# Altium PCB Audio-Beamformer_V1.0.PcbDoc (part 2 of 11)
Units mm, origin at the board's own origin, x right, y up, seen from the top; angles counter-clockwise.
Board outline 300 x 376 mm, 2 copper layers (Top Layer, Bottom Layer), stack 1.548 mm thick; 1137 components, 629 nets, 3569 pads, 2808 vias.
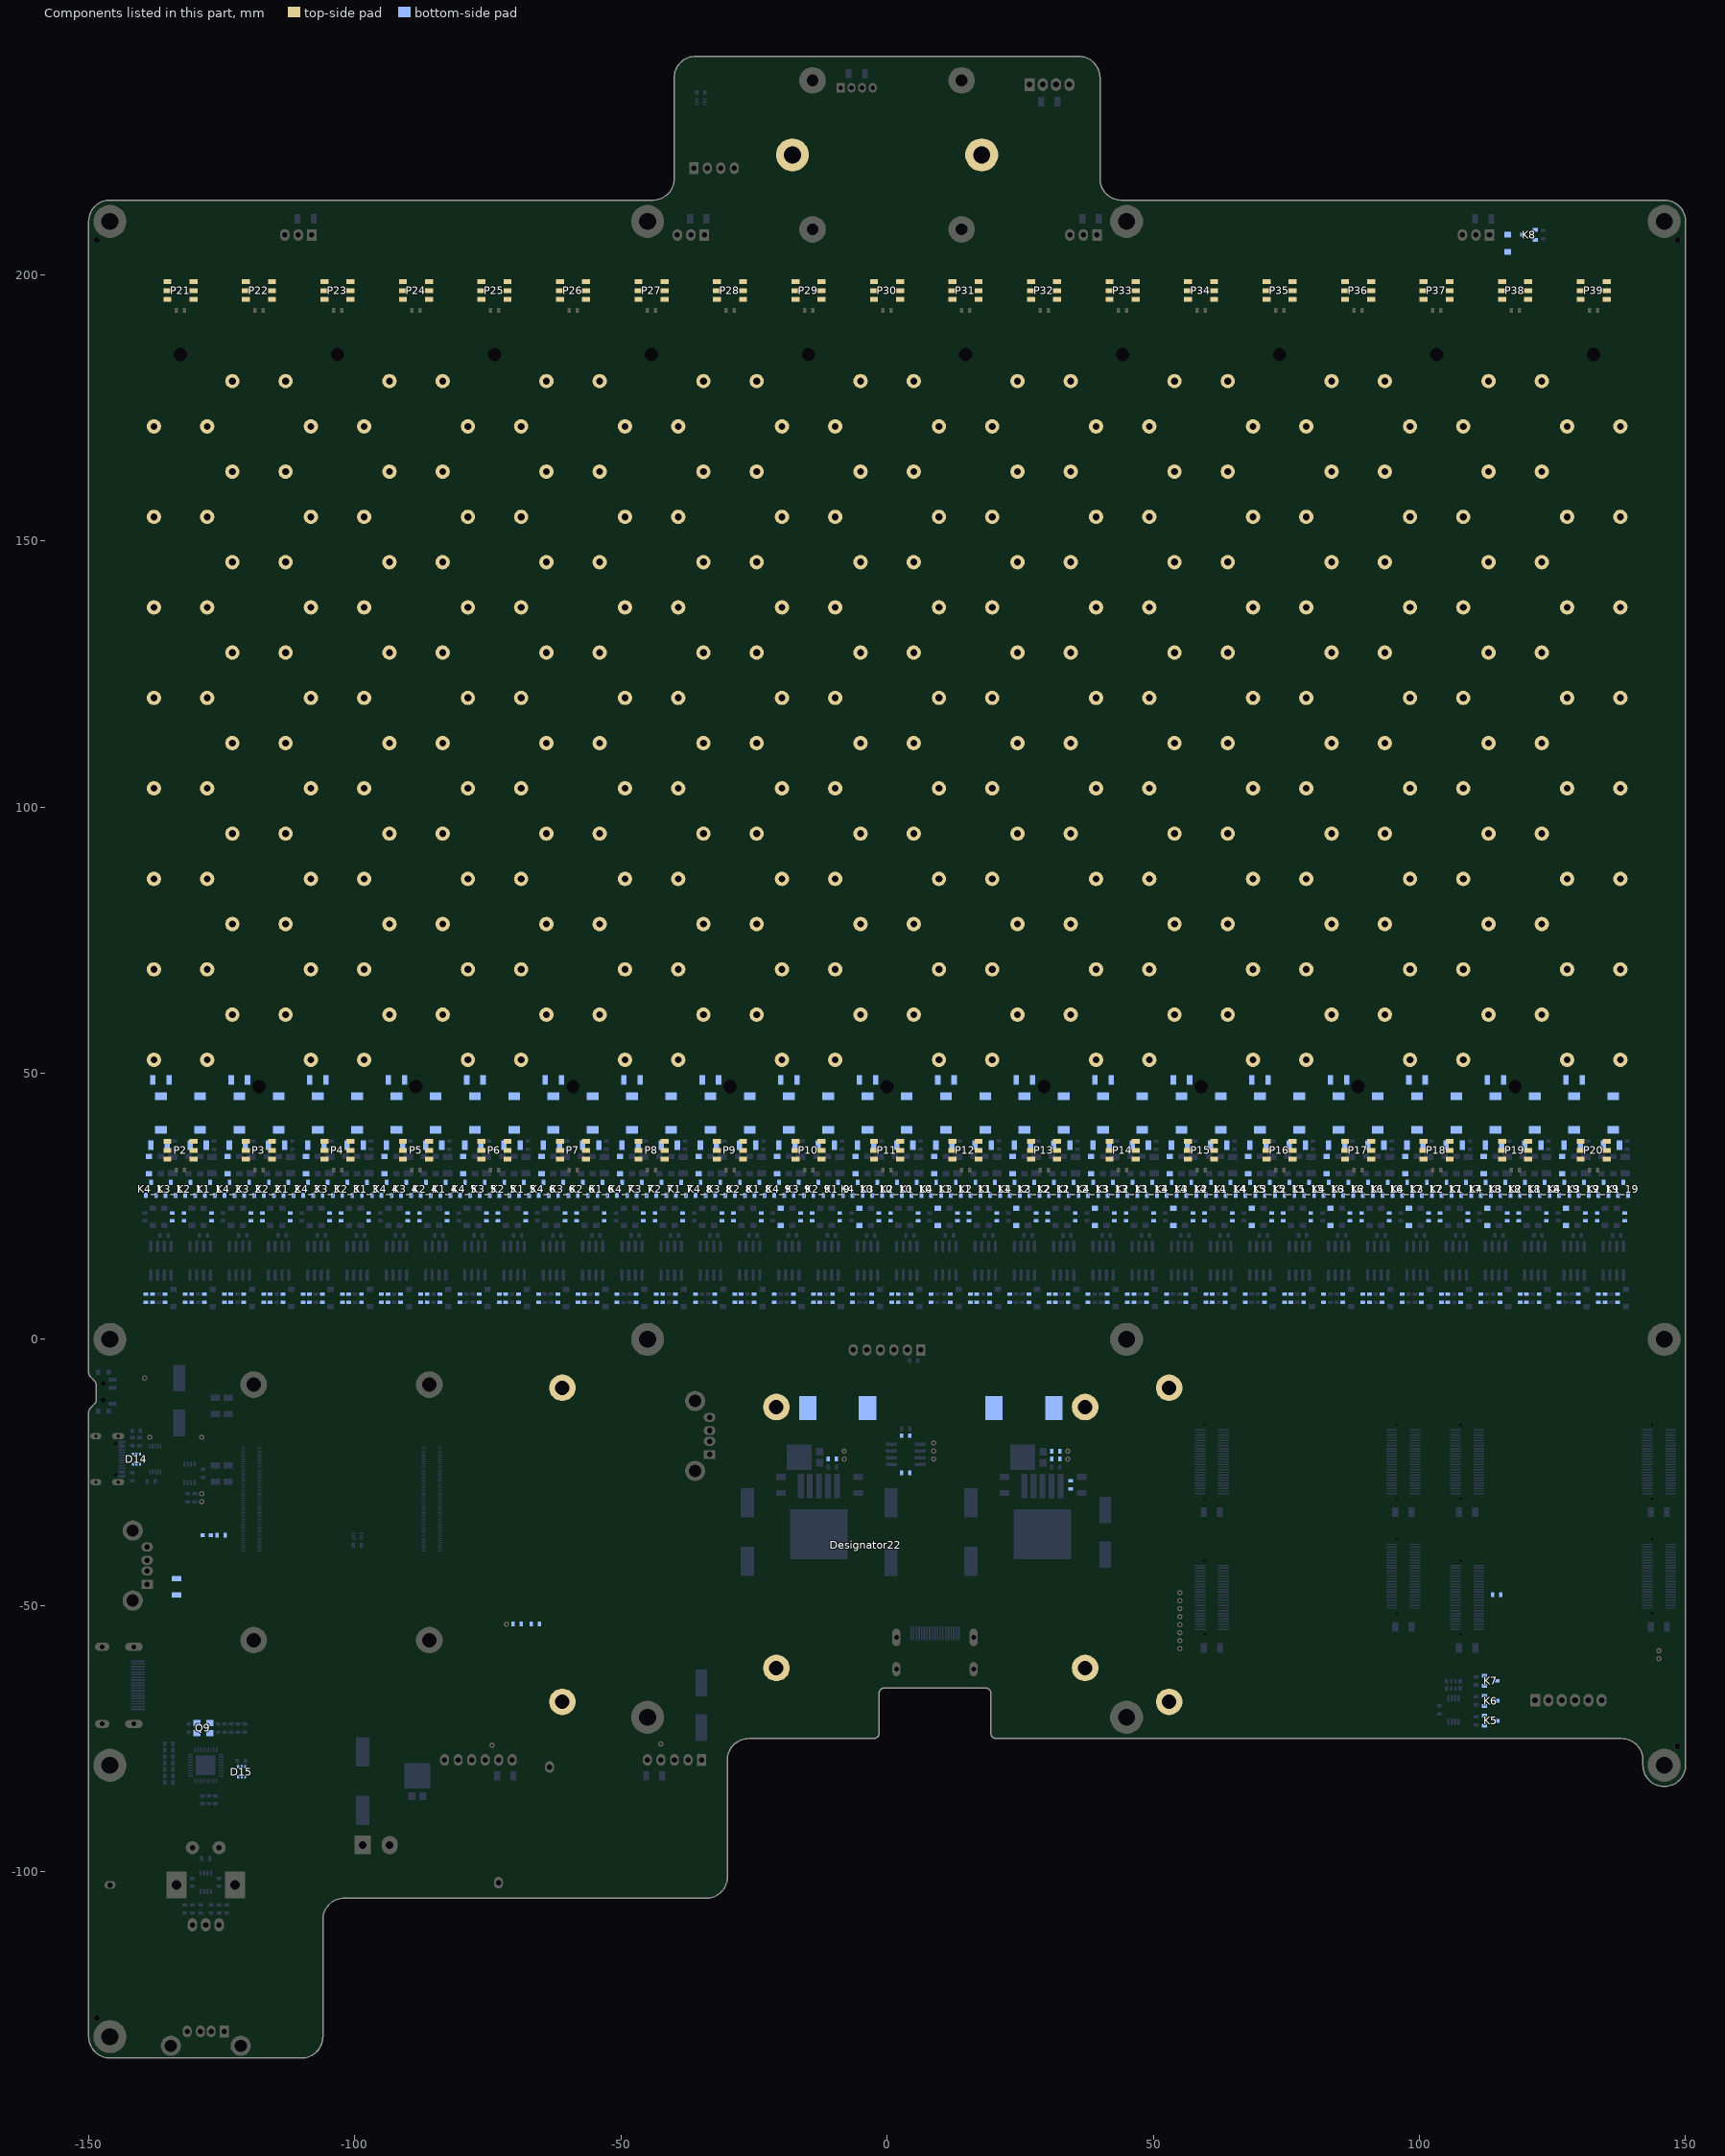
[diagram p2: the components of this part, seen from the top]

## Components (designator, comment, footprint, x,y, rotation, side; value= is the part's Value field where it differs from the comment) (continued)
D12_9 "1N4148" "SMD DIODE SOD-123" -19.975,23 r270 bottom (schematic designator D12)
D12_10 "1N4148" "SMD DIODE SOD-123" -5.225,23 r270 bottom (schematic designator D12)
D12_11 "1N4148" "SMD DIODE SOD-123" 9.525,23 r270 bottom (schematic designator D12)
D12_12 "1N4148" "SMD DIODE SOD-123" 24.275,23 r270 bottom (schematic designator D12)
D12_13 "1N4148" "SMD DIODE SOD-123" 39.025,23 r270 bottom (schematic designator D12)
D12_14 "1N4148" "SMD DIODE SOD-123" 53.775,23 r270 bottom (schematic designator D12)
D12_15 "1N4148" "SMD DIODE SOD-123" 68.525,23 r270 bottom (schematic designator D12)
D12_16 "1N4148" "SMD DIODE SOD-123" 83.275,23 r270 bottom (schematic designator D12)
D12_17 "1N4148" "SMD DIODE SOD-123" 98.025,23 r270 bottom (schematic designator D12)
D12_18 "1N4148" "SMD DIODE SOD-123" 112.775,23 r270 bottom (schematic designator D12)
D12_19 "1N4148" "SMD DIODE SOD-123" 127.525,23 r270 bottom (schematic designator D12)
D13_1 "1N4148" "SMD DIODE SOD-123" -138.65,32.75 r270 bottom (schematic designator D13)
D13_2 "1N4148" "SMD DIODE SOD-123" -123.9,32.75 r270 bottom (schematic designator D13)
D13_3 "1N4148" "SMD DIODE SOD-123" -109.15,32.75 r270 bottom (schematic designator D13)
D13_4 "1N4148" "SMD DIODE SOD-123" -94.4,32.75 r270 bottom (schematic designator D13)
D13_5 "1N4148" "SMD DIODE SOD-123" -79.65,32.75 r270 bottom (schematic designator D13)
D13_6 "1N4148" "SMD DIODE SOD-123" -64.9,32.75 r270 bottom (schematic designator D13)
D13_7 "1N4148" "SMD DIODE SOD-123" -50.15,32.75 r270 bottom (schematic designator D13)
D13_8 "1N4148" "SMD DIODE SOD-123" -35.4,32.75 r270 bottom (schematic designator D13)
D13_9 "1N4148" "SMD DIODE SOD-123" -20.65,32.75 r270 bottom (schematic designator D13)
D13_10 "1N4148" "SMD DIODE SOD-123" -5.9,32.75 r270 bottom (schematic designator D13)
D13_11 "1N4148" "SMD DIODE SOD-123" 8.85,32.75 r270 bottom (schematic designator D13)
D13_12 "1N4148" "SMD DIODE SOD-123" 23.6,32.75 r270 bottom (schematic designator D13)
D13_13 "1N4148" "SMD DIODE SOD-123" 38.35,32.75 r270 bottom (schematic designator D13)
D13_14 "1N4148" "SMD DIODE SOD-123" 53.1,32.75 r270 bottom (schematic designator D13)
D13_15 "1N4148" "SMD DIODE SOD-123" 67.85,32.75 r270 bottom (schematic designator D13)
D13_16 "1N4148" "SMD DIODE SOD-123" 82.6,32.75 r270 bottom (schematic designator D13)
D13_17 "1N4148" "SMD DIODE SOD-123" 97.35,32.75 r270 bottom (schematic designator D13)
D13_18 "1N4148" "SMD DIODE SOD-123" 112.1,32.75 r270 bottom (schematic designator D13)
D13_19 "1N4148" "SMD DIODE SOD-123" 126.85,32.75 r270 bottom (schematic designator D13)
D14 "PD4E1U06" "SMD IC SOT-363 (SC-70-6)" -141,-22.5 r270 bottom
D15 "PD4E1U06" "SMD IC SOT-363 (SC-70-6)" -121.25,-81.25 r90 bottom
D16 "1N4148" "SMD DIODE SOD-123" 116.6,205.9 r270 bottom
Designator22 "Comment" "MEC DISPLAY (19454)" 0,-40 r0 top locked
Designator23 "Comment" "MEC LED-Ring (COM-14967)" 0,222.5 r0 top locked
F1 "8V/1500mA/3000mA" "SMD PPTC-Fuse 1206" -133.5,-46.5 r270 bottom
K1_1 "BSS123" "SMD MOSFET SOT-23" -127.219,28.25 r90 bottom (schematic designator K1)
K1_2 "BSS123" "SMD MOSFET SOT-23" -112.469,28.25 r90 bottom (schematic designator K1)
K1_3 "BSS123" "SMD MOSFET SOT-23" -97.719,28.25 r90 bottom (schematic designator K1)
K1_4 "BSS123" "SMD MOSFET SOT-23" -82.969,28.25 r90 bottom (schematic designator K1)
K1_5 "BSS123" "SMD MOSFET SOT-23" -68.219,28.25 r90 bottom (schematic designator K1)
K1_6 "BSS123" "SMD MOSFET SOT-23" -53.469,28.25 r90 bottom (schematic designator K1)
K1_7 "BSS123" "SMD MOSFET SOT-23" -38.719,28.25 r90 bottom (schematic designator K1)
K1_8 "BSS123" "SMD MOSFET SOT-23" -23.969,28.25 r90 bottom (schematic designator K1)
K1_9 "BSS123" "SMD MOSFET SOT-23" -9.219,28.25 r90 bottom (schematic designator K1)
K1_10 "BSS123" "SMD MOSFET SOT-23" 5.531,28.25 r90 bottom (schematic designator K1)
K1_11 "BSS123" "SMD MOSFET SOT-23" 20.281,28.25 r90 bottom (schematic designator K1)
K1_12 "BSS123" "SMD MOSFET SOT-23" 35.031,28.25 r90 bottom (schematic designator K1)
K1_13 "BSS123" "SMD MOSFET SOT-23" 49.781,28.25 r90 bottom (schematic designator K1)
K1_14 "BSS123" "SMD MOSFET SOT-23" 64.531,28.25 r90 bottom (schematic designator K1)
K1_15 "BSS123" "SMD MOSFET SOT-23" 79.281,28.25 r90 bottom (schematic designator K1)
K1_16 "BSS123" "SMD MOSFET SOT-23" 94.031,28.25 r90 bottom (schematic designator K1)
K1_17 "BSS123" "SMD MOSFET SOT-23" 108.781,28.25 r90 bottom (schematic designator K1)
K1_18 "BSS123" "SMD MOSFET SOT-23" 123.531,28.25 r90 bottom (schematic designator K1)
K1_19 "BSS123" "SMD MOSFET SOT-23" 138.281,28.25 r90 bottom (schematic designator K1)
K2_1 "BSS123" "SMD MOSFET SOT-23" -130.906,28.25 r90 bottom (schematic designator K2)
K2_2 "BSS123" "SMD MOSFET SOT-23" -116.156,28.25 r90 bottom (schematic designator K2)
K2_3 "BSS123" "SMD MOSFET SOT-23" -101.406,28.25 r90 bottom (schematic designator K2)
K2_4 "BSS123" "SMD MOSFET SOT-23" -86.656,28.25 r90 bottom (schematic designator K2)
K2_5 "BSS123" "SMD MOSFET SOT-23" -71.906,28.25 r90 bottom (schematic designator K2)
K2_6 "BSS123" "SMD MOSFET SOT-23" -57.156,28.25 r90 bottom (schematic designator K2)
K2_7 "BSS123" "SMD MOSFET SOT-23" -42.406,28.25 r90 bottom (schematic designator K2)
K2_8 "BSS123" "SMD MOSFET SOT-23" -27.656,28.25 r90 bottom (schematic designator K2)
K2_9 "BSS123" "SMD MOSFET SOT-23" -12.906,28.25 r90 bottom (schematic designator K2)
K2_10 "BSS123" "SMD MOSFET SOT-23" 1.844,28.25 r90 bottom (schematic designator K2)
K2_11 "BSS123" "SMD MOSFET SOT-23" 16.594,28.25 r90 bottom (schematic designator K2)
K2_12 "BSS123" "SMD MOSFET SOT-23" 31.344,28.25 r90 bottom (schematic designator K2)
K2_13 "BSS123" "SMD MOSFET SOT-23" 46.094,28.25 r90 bottom (schematic designator K2)
K2_14 "BSS123" "SMD MOSFET SOT-23" 60.844,28.25 r90 bottom (schematic designator K2)
K2_15 "BSS123" "SMD MOSFET SOT-23" 75.594,28.25 r90 bottom (schematic designator K2)
K2_16 "BSS123" "SMD MOSFET SOT-23" 90.344,28.25 r90 bottom (schematic designator K2)
K2_17 "BSS123" "SMD MOSFET SOT-23" 105.094,28.25 r90 bottom (schematic designator K2)
K2_18 "BSS123" "SMD MOSFET SOT-23" 119.844,28.25 r90 bottom (schematic designator K2)
K2_19 "BSS123" "SMD MOSFET SOT-23" 134.594,28.25 r90 bottom (schematic designator K2)
K3_1 "BSS123" "SMD MOSFET SOT-23" -134.594,28.25 r90 bottom (schematic designator K3)
K3_2 "BSS123" "SMD MOSFET SOT-23" -119.844,28.25 r90 bottom (schematic designator K3)
K3_3 "BSS123" "SMD MOSFET SOT-23" -105.094,28.25 r90 bottom (schematic designator K3)
K3_4 "BSS123" "SMD MOSFET SOT-23" -90.344,28.25 r90 bottom (schematic designator K3)
K3_5 "BSS123" "SMD MOSFET SOT-23" -75.594,28.25 r90 bottom (schematic designator K3)
K3_6 "BSS123" "SMD MOSFET SOT-23" -60.844,28.25 r90 bottom (schematic designator K3)
K3_7 "BSS123" "SMD MOSFET SOT-23" -46.094,28.25 r90 bottom (schematic designator K3)
K3_8 "BSS123" "SMD MOSFET SOT-23" -31.344,28.25 r90 bottom (schematic designator K3)
K3_9 "BSS123" "SMD MOSFET SOT-23" -16.594,28.25 r90 bottom (schematic designator K3)
K3_10 "BSS123" "SMD MOSFET SOT-23" -1.844,28.25 r90 bottom (schematic designator K3)
K3_11 "BSS123" "SMD MOSFET SOT-23" 12.906,28.25 r90 bottom (schematic designator K3)
K3_12 "BSS123" "SMD MOSFET SOT-23" 27.656,28.25 r90 bottom (schematic designator K3)
K3_13 "BSS123" "SMD MOSFET SOT-23" 42.406,28.25 r90 bottom (schematic designator K3)
K3_14 "BSS123" "SMD MOSFET SOT-23" 57.156,28.25 r90 bottom (schematic designator K3)
K3_15 "BSS123" "SMD MOSFET SOT-23" 71.906,28.25 r90 bottom (schematic designator K3)
K3_16 "BSS123" "SMD MOSFET SOT-23" 86.656,28.25 r90 bottom (schematic designator K3)
K3_17 "BSS123" "SMD MOSFET SOT-23" 101.406,28.25 r90 bottom (schematic designator K3)
K3_18 "BSS123" "SMD MOSFET SOT-23" 116.156,28.25 r90 bottom (schematic designator K3)
K3_19 "BSS123" "SMD MOSFET SOT-23" 130.906,28.25 r90 bottom (schematic designator K3)
K4_1 "BSS123" "SMD MOSFET SOT-23" -138.281,28.25 r90 bottom (schematic designator K4)
K4_2 "BSS123" "SMD MOSFET SOT-23" -123.531,28.25 r90 bottom (schematic designator K4)
K4_3 "BSS123" "SMD MOSFET SOT-23" -108.781,28.25 r90 bottom (schematic designator K4)
K4_4 "BSS123" "SMD MOSFET SOT-23" -94.031,28.25 r90 bottom (schematic designator K4)
K4_5 "BSS123" "SMD MOSFET SOT-23" -79.281,28.25 r90 bottom (schematic designator K4)
K4_6 "BSS123" "SMD MOSFET SOT-23" -64.531,28.25 r90 bottom (schematic designator K4)
K4_7 "BSS123" "SMD MOSFET SOT-23" -49.781,28.25 r90 bottom (schematic designator K4)
K4_8 "BSS123" "SMD MOSFET SOT-23" -35.031,28.25 r90 bottom (schematic designator K4)
K4_9 "BSS123" "SMD MOSFET SOT-23" -20.281,28.25 r90 bottom (schematic designator K4)
K4_10 "BSS123" "SMD MOSFET SOT-23" -5.531,28.25 r90 bottom (schematic designator K4)
K4_11 "BSS123" "SMD MOSFET SOT-23" 9.219,28.25 r90 bottom (schematic designator K4)
K4_12 "BSS123" "SMD MOSFET SOT-23" 23.969,28.25 r90 bottom (schematic designator K4)
K4_13 "BSS123" "SMD MOSFET SOT-23" 38.719,28.25 r90 bottom (schematic designator K4)
K4_14 "BSS123" "SMD MOSFET SOT-23" 53.469,28.25 r90 bottom (schematic designator K4)
K4_15 "BSS123" "SMD MOSFET SOT-23" 68.219,28.25 r90 bottom (schematic designator K4)
K4_16 "BSS123" "SMD MOSFET SOT-23" 82.969,28.25 r90 bottom (schematic designator K4)
K4_17 "BSS123" "SMD MOSFET SOT-23" 97.719,28.25 r90 bottom (schematic designator K4)
K4_18 "BSS123" "SMD MOSFET SOT-23" 112.469,28.25 r90 bottom (schematic designator K4)
K4_19 "BSS123" "SMD MOSFET SOT-23" 127.219,28.25 r90 bottom (schematic designator K4)
K5 "AO3400A" "SMD MOSFET SOT-23" 113.4,-71.65 r0 bottom
K6 "AO3400A" "SMD MOSFET SOT-23" 113.4,-67.9 r0 bottom
K7 "AO3400A" "SMD MOSFET SOT-23" 113.4,-64.15 r0 bottom
K8 "AO3400A" "SMD MOSFET SOT-23" 120.6,207.5 r180 bottom
L1 "47µH 5.0A" "SMD Inductor 13.8x12.6x6.5" 25.7,-12.875 r180 bottom
L2 "47µH 5.0A" "SMD Inductor 13.8x12.6x6.5" -9.3,-12.875 r180 bottom
L3_1 "220µH 330mA" "SMD Inductor 7x7x4.5" -129.063,42.5 r90 bottom (schematic designator L3)
L3_2 "220µH 330mA" "SMD Inductor 7x7x4.5" -114.312,42.5 r90 bottom (schematic designator L3)
L3_3 "220µH 330mA" "SMD Inductor 7x7x4.5" -99.563,42.5 r90 bottom (schematic designator L3)
L3_4 "220µH 330mA" "SMD Inductor 7x7x4.5" -84.812,42.5 r90 bottom (schematic designator L3)
L3_5 "220µH 330mA" "SMD Inductor 7x7x4.5" -70.062,42.5 r90 bottom (schematic designator L3)
L3_6 "220µH 330mA" "SMD Inductor 7x7x4.5" -55.313,42.5 r90 bottom (schematic designator L3)
L3_7 "220µH 330mA" "SMD Inductor 7x7x4.5" -40.562,42.5 r90 bottom (schematic designator L3)
L3_8 "220µH 330mA" "SMD Inductor 7x7x4.5" -25.813,42.5 r90 bottom (schematic designator L3)
L3_9 "220µH 330mA" "SMD Inductor 7x7x4.5" -11.063,42.5 r90 bottom (schematic designator L3)
L3_10 "220µH 330mA" "SMD Inductor 7x7x4.5" 3.688,42.5 r90 bottom (schematic designator L3)
L3_11 "220µH 330mA" "SMD Inductor 7x7x4.5" 18.438,42.5 r90 bottom (schematic designator L3)
L3_12 "220µH 330mA" "SMD Inductor 7x7x4.5" 33.188,42.5 r90 bottom (schematic designator L3)
L3_13 "220µH 330mA" "SMD Inductor 7x7x4.5" 47.938,42.5 r90 bottom (schematic designator L3)
L3_14 "220µH 330mA" "SMD Inductor 7x7x4.5" 62.688,42.5 r90 bottom (schematic designator L3)
L3_15 "220µH 330mA" "SMD Inductor 7x7x4.5" 77.438,42.5 r90 bottom (schematic designator L3)
L3_16 "220µH 330mA" "SMD Inductor 7x7x4.5" 92.188,42.5 r90 bottom (schematic designator L3)
L3_17 "220µH 330mA" "SMD Inductor 7x7x4.5" 106.938,42.5 r90 bottom (schematic designator L3)
L3_18 "220µH 330mA" "SMD Inductor 7x7x4.5" 121.688,42.5 r90 bottom (schematic designator L3)
L3_19 "220µH 330mA" "SMD Inductor 7x7x4.5" 136.438,42.5 r90 bottom (schematic designator L3)
L4_1 "220µH 330mA" "SMD Inductor 7x7x4.5" -136.438,42.5 r90 bottom (schematic designator L4)
L4_2 "220µH 330mA" "SMD Inductor 7x7x4.5" -121.688,42.5 r90 bottom (schematic designator L4)
L4_3 "220µH 330mA" "SMD Inductor 7x7x4.5" -106.938,42.5 r90 bottom (schematic designator L4)
L4_4 "220µH 330mA" "SMD Inductor 7x7x4.5" -92.188,42.5 r90 bottom (schematic designator L4)
L4_5 "220µH 330mA" "SMD Inductor 7x7x4.5" -77.438,42.5 r90 bottom (schematic designator L4)
L4_6 "220µH 330mA" "SMD Inductor 7x7x4.5" -62.688,42.5 r90 bottom (schematic designator L4)
L4_7 "220µH 330mA" "SMD Inductor 7x7x4.5" -47.938,42.5 r90 bottom (schematic designator L4)
L4_8 "220µH 330mA" "SMD Inductor 7x7x4.5" -33.188,42.5 r90 bottom (schematic designator L4)
L4_9 "220µH 330mA" "SMD Inductor 7x7x4.5" -18.438,42.5 r90 bottom (schematic designator L4)
L4_10 "220µH 330mA" "SMD Inductor 7x7x4.5" -3.688,42.5 r90 bottom (schematic designator L4)
L4_11 "220µH 330mA" "SMD Inductor 7x7x4.5" 11.063,42.5 r90 bottom (schematic designator L4)
L4_12 "220µH 330mA" "SMD Inductor 7x7x4.5" 25.813,42.5 r90 bottom (schematic designator L4)
L4_13 "220µH 330mA" "SMD Inductor 7x7x4.5" 40.562,42.5 r90 bottom (schematic designator L4)
L4_14 "220µH 330mA" "SMD Inductor 7x7x4.5" 55.313,42.5 r90 bottom (schematic designator L4)
L4_15 "220µH 330mA" "SMD Inductor 7x7x4.5" 70.062,42.5 r90 bottom (schematic designator L4)
L4_16 "220µH 330mA" "SMD Inductor 7x7x4.5" 84.812,42.5 r90 bottom (schematic designator L4)
L4_17 "220µH 330mA" "SMD Inductor 7x7x4.5" 99.563,42.5 r90 bottom (schematic designator L4)
L4_18 "220µH 330mA" "SMD Inductor 7x7x4.5" 114.312,42.5 r90 bottom (schematic designator L4)
L4_19 "220µH 330mA" "SMD Inductor 7x7x4.5" 129.063,42.5 r90 bottom (schematic designator L4)
P1 "Green" "SMD LED 0603" -127.8,-36.8 r0 bottom
P2 "APA102C" "SMD LED APA102C-5050" -132.75,35.5 r180 top
P3 "APA102C" "SMD LED APA102C-5050" -118,35.5 r180 top
P4 "APA102C" "SMD LED APA102C-5050" -103.25,35.5 r180 top
P5 "APA102C" "SMD LED APA102C-5050" -88.5,35.5 r180 top
P6 "APA102C" "SMD LED APA102C-5050" -73.75,35.5 r180 top
P7 "APA102C" "SMD LED APA102C-5050" -59,35.5 r180 top
P8 "APA102C" "SMD LED APA102C-5050" -44.25,35.5 r180 top
P9 "APA102C" "SMD LED APA102C-5050" -29.5,35.5 r180 top
P10 "APA102C" "SMD LED APA102C-5050" -14.75,35.5 r180 top
P11 "APA102C" "SMD LED APA102C-5050" 0,35.5 r180 top
P12 "APA102C" "SMD LED APA102C-5050" 14.75,35.5 r180 top
P13 "APA102C" "SMD LED APA102C-5050" 29.5,35.5 r180 top
P14 "APA102C" "SMD LED APA102C-5050" 44.25,35.5 r180 top
P15 "APA102C" "SMD LED APA102C-5050" 59,35.5 r180 top
P16 "APA102C" "SMD LED APA102C-5050" 73.75,35.5 r180 top
P17 "APA102C" "SMD LED APA102C-5050" 88.5,35.5 r180 top
P18 "APA102C" "SMD LED APA102C-5050" 103.25,35.5 r180 top
P19 "APA102C" "SMD LED APA102C-5050" 118,35.5 r180 top
P20 "APA102C" "SMD LED APA102C-5050" 132.75,35.5 r180 top
P21 "APA102C" "SMD LED APA102C-5050" -132.75,197 r180 top
P22 "APA102C" "SMD LED APA102C-5050" -118,197 r180 top
P23 "APA102C" "SMD LED APA102C-5050" -103.25,197 r180 top
P24 "APA102C" "SMD LED APA102C-5050" -88.5,197 r180 top
P25 "APA102C" "SMD LED APA102C-5050" -73.75,197 r180 top
P26 "APA102C" "SMD LED APA102C-5050" -59,197 r180 top
P27 "APA102C" "SMD LED APA102C-5050" -44.25,197 r180 top
P28 "APA102C" "SMD LED APA102C-5050" -29.5,197 r180 top
P29 "APA102C" "SMD LED APA102C-5050" -14.75,197 r180 top
P30 "APA102C" "SMD LED APA102C-5050" 0,197 r180 top
P31 "APA102C" "SMD LED APA102C-5050" 14.75,197 r180 top
P32 "APA102C" "SMD LED APA102C-5050" 29.5,197 r180 top
P33 "APA102C" "SMD LED APA102C-5050" 44.25,197 r180 top
P34 "APA102C" "SMD LED APA102C-5050" 59,197 r180 top
P35 "APA102C" "SMD LED APA102C-5050" 73.75,197 r180 top
P36 "APA102C" "SMD LED APA102C-5050" 88.5,197 r180 top
P37 "APA102C" "SMD LED APA102C-5050" 103.25,197 r180 top
P38 "APA102C" "SMD LED APA102C-5050" 118,197 r180 top
P39 "APA102C" "SMD LED APA102C-5050" 132.75,197 r180 top
Q1_1 "MA40A16" "THT Transducer (MA40A16) (5mm Offset)" -132.75,52.5 r0 top (schematic designator Q1)
Q1_2 "MA40A16" "THT Transducer (MA40A16) (5mm Offset)" -118,61 r0 top (schematic designator Q1)
Q1_3 "MA40A16" "THT Transducer (MA40A16) (5mm Offset)" -103.25,52.5 r0 top (schematic designator Q1)
Q1_4 "MA40A16" "THT Transducer (MA40A16) (5mm Offset)" -88.5,61 r0 top (schematic designator Q1)
Q1_5 "MA40A16" "THT Transducer (MA40A16) (5mm Offset)" -73.75,52.5 r0 top (schematic designator Q1)
Q1_6 "MA40A16" "THT Transducer (MA40A16) (5mm Offset)" -59,61 r0 top (schematic designator Q1)
Q1_7 "MA40A16" "THT Transducer (MA40A16) (5mm Offset)" -44.25,52.5 r0 top (schematic designator Q1)
Q1_8 "MA40A16" "THT Transducer (MA40A16) (5mm Offset)" -29.5,61 r0 top (schematic designator Q1)
Q1_9 "MA40A16" "THT Transducer (MA40A16) (5mm Offset)" -14.75,52.5 r0 top (schematic designator Q1)
Q1_10 "MA40A16" "THT Transducer (MA40A16) (5mm Offset)" 0,61 r0 top (schematic designator Q1)
Q1_11 "MA40A16" "THT Transducer (MA40A16) (5mm Offset)" 14.75,52.5 r0 top (schematic designator Q1)
Q1_12 "MA40A16" "THT Transducer (MA40A16) (5mm Offset)" 29.5,61 r0 top (schematic designator Q1)
Q1_13 "MA40A16" "THT Transducer (MA40A16) (5mm Offset)" 44.25,52.5 r0 top (schematic designator Q1)
Q1_14 "MA40A16" "THT Transducer (MA40A16) (5mm Offset)" 59,61 r0 top (schematic designator Q1)
Q1_15 "MA40A16" "THT Transducer (MA40A16) (5mm Offset)" 73.75,52.5 r0 top (schematic designator Q1)
Q1_16 "MA40A16" "THT Transducer (MA40A16) (5mm Offset)" 88.5,61 r0 top (schematic designator Q1)
Q1_17 "MA40A16" "THT Transducer (MA40A16) (5mm Offset)" 103.25,52.5 r0 top (schematic designator Q1)
Q1_18 "MA40A16" "THT Transducer (MA40A16) (5mm Offset)" 118,61 r0 top (schematic designator Q1)
Q1_19 "MA40A16" "THT Transducer (MA40A16) (5mm Offset)" 132.75,52.5 r0 top (schematic designator Q1)
Q2_1 "MA40A16" "THT Transducer (MA40A16) (5mm Offset)" -132.75,69.5 r0 top (schematic designator Q2)
Q2_2 "MA40A16" "THT Transducer (MA40A16) (5mm Offset)" -118,78 r0 top (schematic designator Q2)
Q2_3 "MA40A16" "THT Transducer (MA40A16) (5mm Offset)" -103.25,69.5 r0 top (schematic designator Q2)
Q2_4 "MA40A16" "THT Transducer (MA40A16) (5mm Offset)" -88.5,78 r0 top (schematic designator Q2)
Q2_5 "MA40A16" "THT Transducer (MA40A16) (5mm Offset)" -73.75,69.5 r0 top (schematic designator Q2)
Q2_6 "MA40A16" "THT Transducer (MA40A16) (5mm Offset)" -59,78 r0 top (schematic designator Q2)
Q2_7 "MA40A16" "THT Transducer (MA40A16) (5mm Offset)" -44.25,69.5 r0 top (schematic designator Q2)
Q2_8 "MA40A16" "THT Transducer (MA40A16) (5mm Offset)" -29.5,78 r0 top (schematic designator Q2)
Q2_9 "MA40A16" "THT Transducer (MA40A16) (5mm Offset)" -14.75,69.5 r0 top (schematic designator Q2)
Q2_10 "MA40A16" "THT Transducer (MA40A16) (5mm Offset)" 0,78 r0 top (schematic designator Q2)
Q2_11 "MA40A16" "THT Transducer (MA40A16) (5mm Offset)" 14.75,69.5 r0 top (schematic designator Q2)
Q2_12 "MA40A16" "THT Transducer (MA40A16) (5mm Offset)" 29.5,78 r0 top (schematic designator Q2)
Q2_13 "MA40A16" "THT Transducer (MA40A16) (5mm Offset)" 44.25,69.5 r0 top (schematic designator Q2)
Q2_14 "MA40A16" "THT Transducer (MA40A16) (5mm Offset)" 59,78 r0 top (schematic designator Q2)
Q2_15 "MA40A16" "THT Transducer (MA40A16) (5mm Offset)" 73.75,69.5 r0 top (schematic designator Q2)
Q2_16 "MA40A16" "THT Transducer (MA40A16) (5mm Offset)" 88.5,78 r0 top (schematic designator Q2)
Q2_17 "MA40A16" "THT Transducer (MA40A16) (5mm Offset)" 103.25,69.5 r0 top (schematic designator Q2)
Q2_18 "MA40A16" "THT Transducer (MA40A16) (5mm Offset)" 118,78 r0 top (schematic designator Q2)
Q2_19 "MA40A16" "THT Transducer (MA40A16) (5mm Offset)" 132.75,69.5 r0 top (schematic designator Q2)
Q3_1 "MA40A16" "THT Transducer (MA40A16) (5mm Offset)" -132.75,86.5 r0 top (schematic designator Q3)
Q3_2 "MA40A16" "THT Transducer (MA40A16) (5mm Offset)" -118,95 r0 top (schematic designator Q3)
Q3_3 "MA40A16" "THT Transducer (MA40A16) (5mm Offset)" -103.25,86.5 r0 top (schematic designator Q3)
Q3_4 "MA40A16" "THT Transducer (MA40A16) (5mm Offset)" -88.5,95 r0 top (schematic designator Q3)
Q3_5 "MA40A16" "THT Transducer (MA40A16) (5mm Offset)" -73.75,86.5 r0 top (schematic designator Q3)
Q3_6 "MA40A16" "THT Transducer (MA40A16) (5mm Offset)" -59,95 r0 top (schematic designator Q3)
Q3_7 "MA40A16" "THT Transducer (MA40A16) (5mm Offset)" -44.25,86.5 r0 top (schematic designator Q3)
Q3_8 "MA40A16" "THT Transducer (MA40A16) (5mm Offset)" -29.5,95 r0 top (schematic designator Q3)
Q3_9 "MA40A16" "THT Transducer (MA40A16) (5mm Offset)" -14.75,86.5 r0 top (schematic designator Q3)